# KiCad board USB_Hub.kicad_pcb (continued)
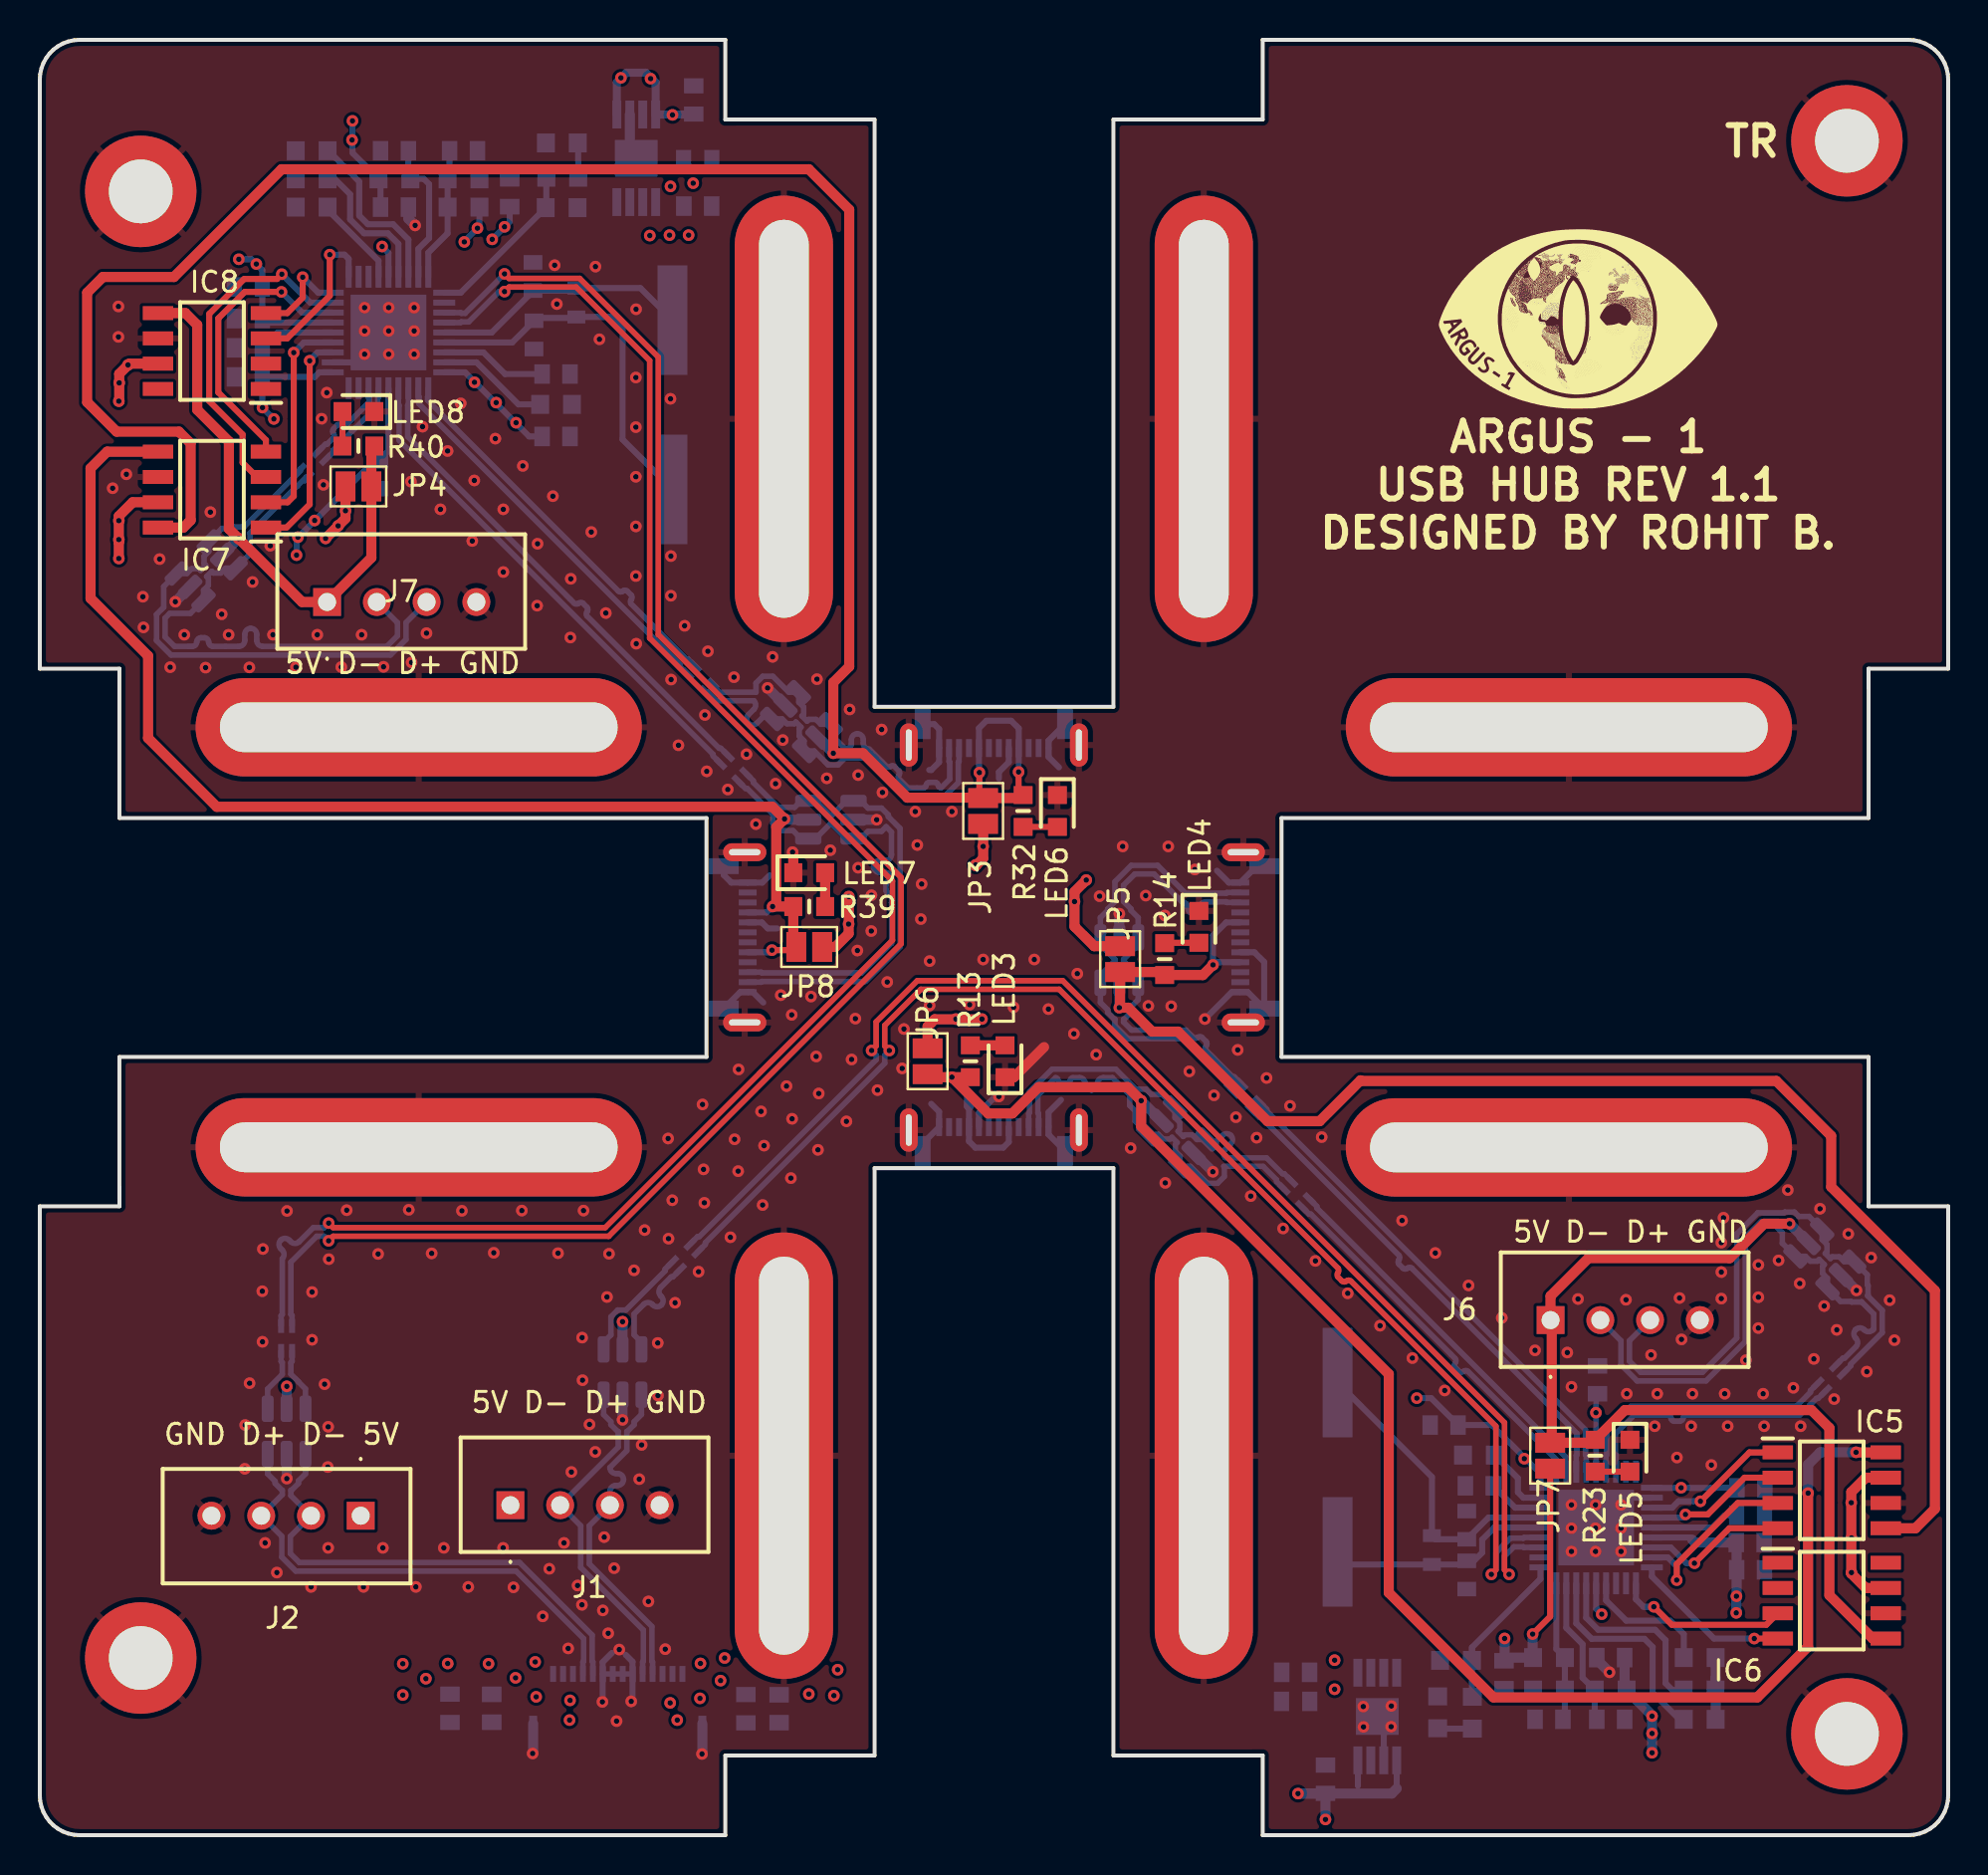
[diagram p0: board, top side]
## Copper pours and planes (outline as drawn; the poured copper is in the pictures) (continued)
5V2 on Bottom: 27.15,9.36 27.15,5.25 25.35,5.25 25.35,6.06 25.07,6.39 16.61,6.41 16.61,9.38
5V2 on In2.Cu: 20.38,19.45 20.27,-3.07 -0.44,-3.19 -0.49,93.41 53.02,93.45 52.78,52.05
GND on Top, Bottom: 96.29,90.53 96.26,-0.48 -0.28,-0.43 -0.31,90.48

## Text on the board
B.Silkscreen: ARGUS - 1 / USB HUB REV 1.1 / DESIGNED BY ROHIT B.
F.Silkscreen: GND D+ D- 5V | 5V D- D+ GND | TR | ARGUS - 1 / USB HUB REV 1.1 / DESIGNED BY ROHIT B.
